# KiCad board pedalboard-hw.kicad_pcb (continued)
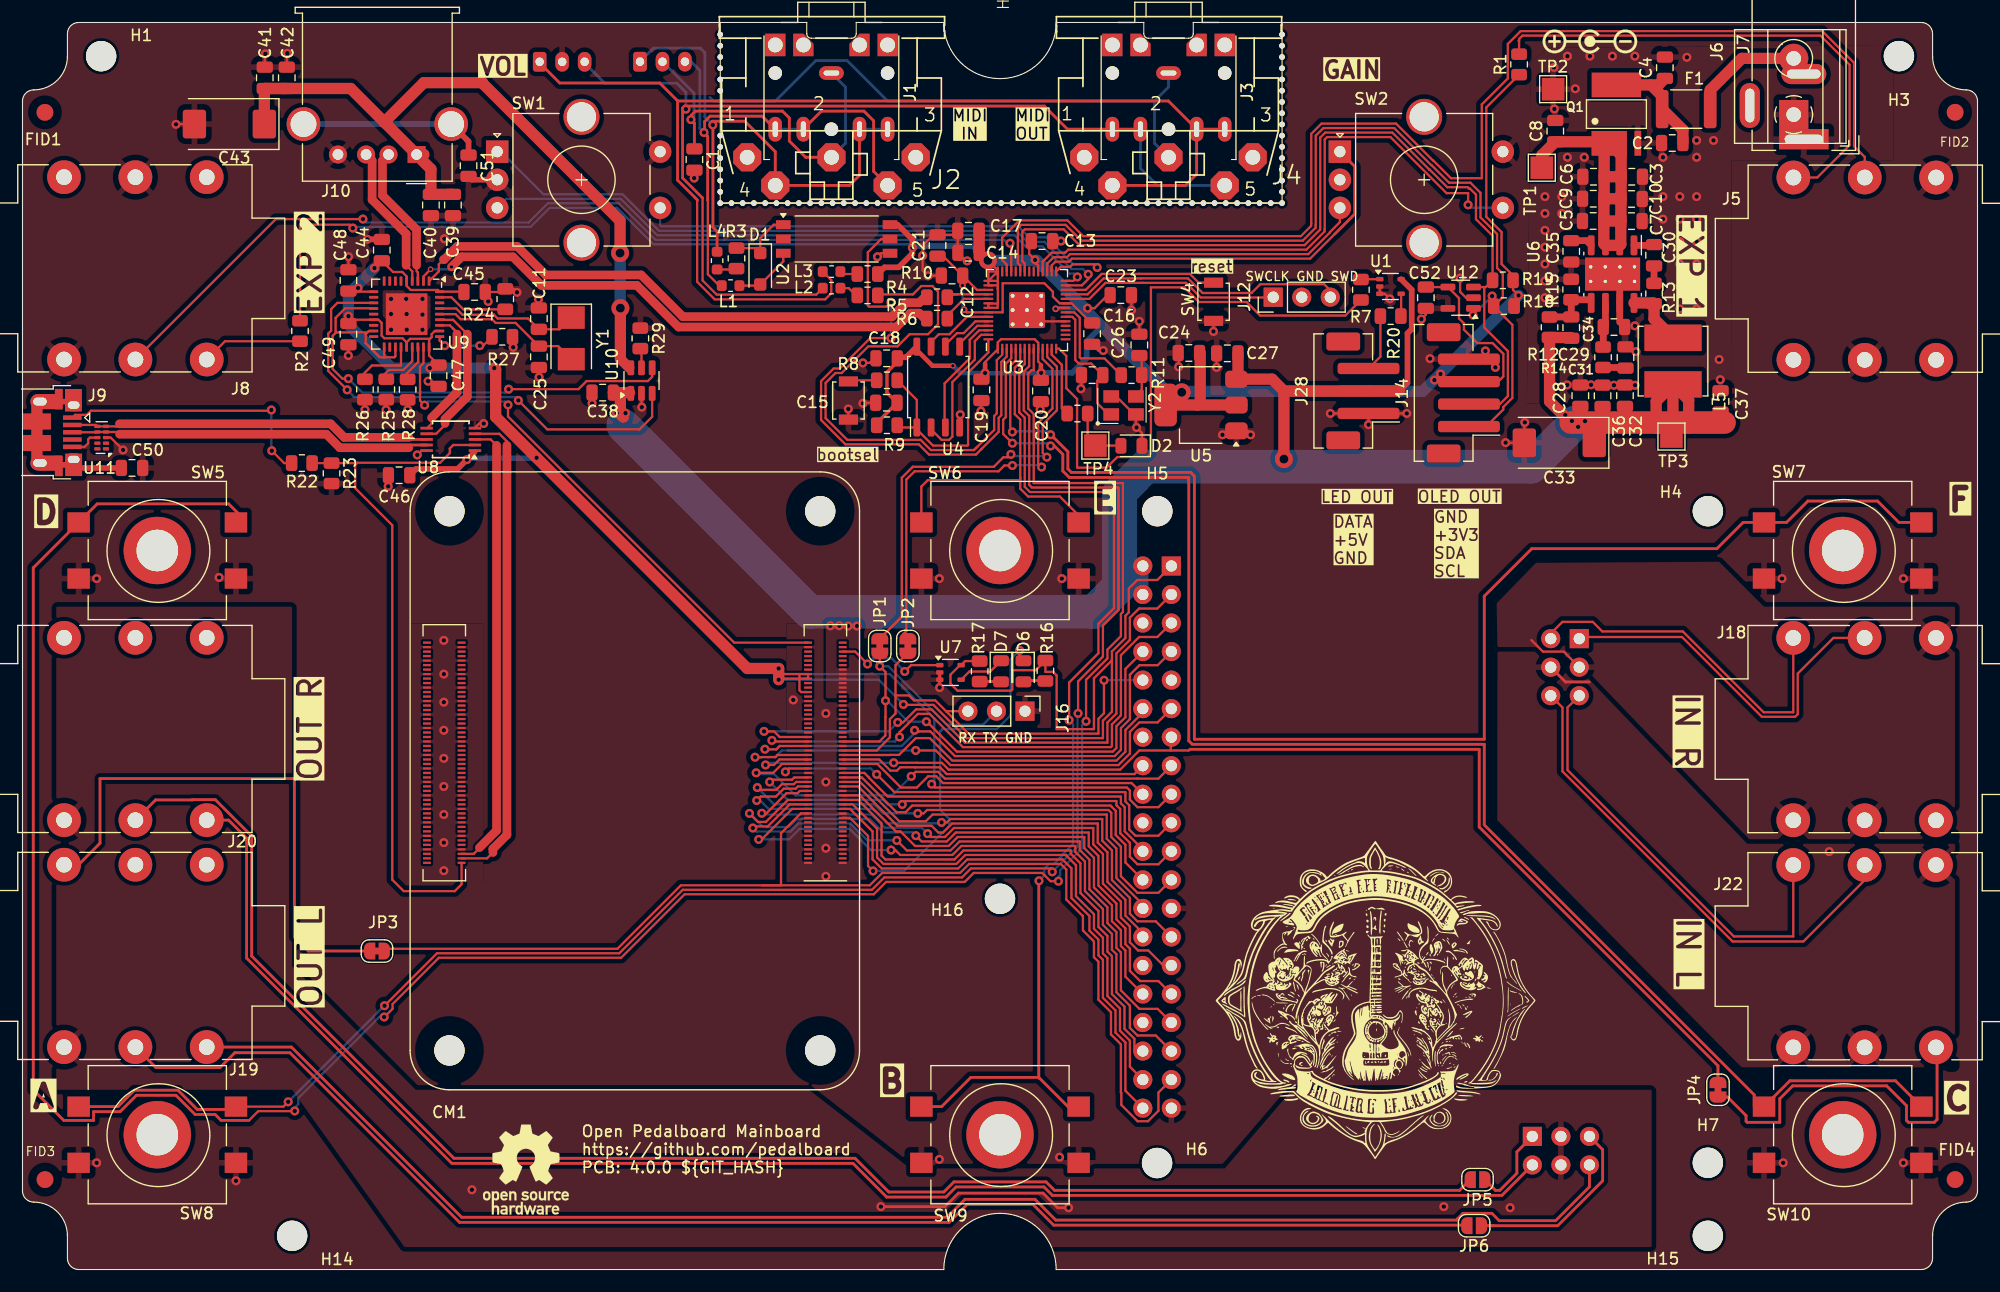
[diagram p0: board, top side]
## Library data of the parts (continued)
SW5 = -: Datasheet: https://www.we-online.com/components/products/datasheet/430172043816.pdf; Notes: D; Supplier: https://www.digikey.ch/de/products/detail/w%C3%BCrth-elektronik/430162043826/9950802; ki_fp_filters: SW*Omron*B3FS*
SW6 = -: Datasheet: https://www.we-online.com/components/products/datasheet/430172043816.pdf; Notes: E; Supplier: https://www.digikey.ch/de/products/detail/w%C3%BCrth-elektronik/430162043826/9950802; ki_fp_filters: SW*Omron*B3FS*
SW7 = -: Datasheet: https://www.we-online.com/components/products/datasheet/430172043816.pdf; Notes: F; Supplier: https://www.digikey.ch/de/products/detail/w%C3%BCrth-elektronik/430162043826/9950802; ki_fp_filters: SW*Omron*B3FS*
SW8 = -: Datasheet: https://www.we-online.com/components/products/datasheet/430172043816.pdf; Notes: A; Supplier: https://www.digikey.ch/de/products/detail/w%C3%BCrth-elektronik/430162043826/9950802; ki_fp_filters: SW*Omron*B3FS*
SW9 = -: Datasheet: https://www.we-online.com/components/products/datasheet/430172043816.pdf; Notes: B; Supplier: https://www.digikey.ch/de/products/detail/w%C3%BCrth-elektronik/430162043826/9950802; ki_fp_filters: SW*Omron*B3FS*
SW10 = -: Datasheet: https://www.we-online.com/components/products/datasheet/430172043816.pdf; Notes: C; Supplier: https://www.digikey.ch/de/products/detail/w%C3%BCrth-elektronik/430162043826/9950802; ki_fp_filters: SW*Omron*B3FS*
TP1-TP4 = -: ki_fp_filters: Pin* Test*
U1 U7 = -: Datasheet: https://www.diodes.com/assets/Datasheets/74AHCT1G32.pdf; Supplier: https://www.digikey.ch/de/products/detail/diodes-incorporated/74AHCT1G32SE-7/2711987
U2 = -: Datasheet: https://toshiba.semicon-storage.com/info/docget.jsp?did=28819&prodName=TLP2761; Description: 15-Mbps inverting photocouple,5 kVrms, 2.7 - 5.5 Vdd, push-pull output; Supplier: https://www.digikey.ch/de/products/detail/toshiba-semiconductor-and-storage/TLP2761-TP-E/7809713; ki_fp_filters: SO*6L*10x3.84mm*P1.27mm*
U3 = -: Datasheet: https://datasheets.raspberrypi.com/rp2040/rp2040-datasheet.pdf; Supplier: https://www.digikey.ch/de/products/detail/raspberry-pi/SC0914-13/14306010
U4 = -: Datasheet: https://www.winbond.com/resource-files/w25q128jv%20revf%2003272018%20plus.pdf; Supplier: https://www.digikey.ch/de/products/detail/winbond-electronics/W25Q128JVSIQ-TR/5803944; ki_fp_filters: SOIC*5.23x5.23mm*P1.27mm*
U5 = -: Datasheet: https://www.diodes.com/assets/Datasheets/AZ1117I.pdf; Supplier: https://www.digikey.ch/de/products/detail/diodes-incorporated/AZ1117IH-3-3TRG1/5699672; ki_fp_filters: SOT?223*TabPin2*
U6 = -: Datasheet: https://www.diodes.com/assets/Datasheets/AP64501.pdf; Supplier: https://www.digikey.ch/de/products/detail/diodes-incorporated/AP64501SP-13/10419715
U8 = -: Datasheet: https://www.onsemi.com/pub/Collateral/FSUSB42-D.PDF; Description: Low-Power, Two-Port, High-Speed, USB2.0 (480Mbps) or UART Switch, MSOP-10; Supplier: https://www.digikey.ch/de/products/detail/onsemi/FSUSB42MUX/2036916; ki_fp_filters: MSOP*3x3mm*P0.5mm*
U9 = -: Datasheet: http://ww1.microchip.com/downloads/en/DeviceDoc/00001692C.pdf; Description: USB 2.0 Hi-Speed Hub Controller; Supplier: https://www.digikey.ch/de/products/detail/microchip-technology/USB2514B-I-M2/5639468; ki_fp_filters: QFN*6x6mm*P0.5mm*
U10 = -: Datasheet: https://www.diodes.com/assets/Datasheets/AP255x.pdf; Field4: Digikey; Field5: AP2553W6-7DICT-ND
U11 = -: Datasheet: http://www.ti.com/lit/ds/symlink/tpd2eusb30a.pdf; Description: 4-Channel ESD Protection for Super-Speed USB 3.0 Interface, USON-10; Supplier: https://www.digikey.ch/de/products/detail/texas-instruments/TPD4EUSB30DQAR/2503665; ki_fp_filters: USON*2.5x1.0mm*P0.5mm*
U12 = -: Datasheet: http://ww1.microchip.com/downloads/en/DeviceDoc/Atmel-8815-SEEPROM-AT24CS01-02-Datasheet.pdf; Description: I2C Serial EEPROM, 1Kb (128x8) with Unique Serial Number, SOT-23-5; Supplier: https://www.digikey.ch/de/products/detail/microchip-technology/AT24CS01-STUM-T/3973063; ki_fp_filters: SOT?23*
Y1 = -: Datasheet: https://www.ctscorp.com/Files/DataSheets/Passives/FCP/Crystals/crystals-445-datasheet.pdf; Description: Two pin crystal, small symbol; Supplier: https://www.digikey.ch/en/products/detail/cts-frequency-controls/445C33D24M00000/3135787; ki_fp_filters: Crystal*
Y2 = -: Datasheet: https://abracon.com/datasheets/ABM8-272-T3.pdf; Supplier: https://www.digikey.ch/de/products/detail/abracon-llc/ABM8-272-T3/22472366; ki_fp_filters: ABM8-272-T3_ABR

## Footprints (pads in the part's own frame, mm; a bottom-side part is the same pattern mirrored in y, then rotated)
ABM8-272-T3_ABR
  rect 1.1x1.4 smd: 1(-0.8,1.1) 2(-0.8,-1.1) 3(0.8,-1.1) 4(0.8,1.1)
BarrelJack_Wuerth_6941xx301002
  rect 4.4x1.8 hole 3.4x0.8: 1(0,0)
  oval 4x1.8 hole 3x0.8: 2(0,-5.8)
  oval 1.8x4 hole 0.8x3: 3(4.8,-3)
C_0805_2012Metric
  rrect 1x1.45 smd: 1(-0.95,0) 2(0.95,0)
CP-2350
  rrect 2.5x2.5 hole 1.321: 1(7.5,10) 2(0,10) 3(-7.5,10) 4(5,12.5) 5(-5,12.5)
  rrect 1.8x2 hole 1.321: PE(-2.5,0) PE@(2.5,0)
  rect 1.8x2 hole 1.321: PE1(-5,0) PE2(5,0)
CP_EIA-7343-31_Kemet-D
  rrect 2.075x2.55 smd: 1(-3.112,0) 2(3.112,0)
Crystal_SMD_5032-2Pin_5.0x3.2mm
  rect 2x2.4 smd: 1(-1.85,0) 2(1.85,0)
D_SOD-123F
  rrect 1.1x1.1 smd: 1(-1.4,0) 2(1.4,0)
Fiducial_1.5mm_Mask3mm
  round 1.5 smd: (0,0)
Fuse_1812_4532Metric
  rrect 1.125x3.4 smd: 1(-2.138,0) 2(2.138,0)
Jack_3.5mm_CUI_SJ1-3525N_Horizontal
  round 1.2 hole 1.2 unplated: (-5,0) (0,5) (5,0)
  oval 1.2x2.2 hole 0.45x1.4: R(-5,5) RN(-2.5,5) T(5,5) TN(2.5,5)
  oval 2.2x1.2 hole 1.4x0.45: S(0,0)
Jack_6.35mm_Horizontal
  round 3 hole 1.4: R(6.35,0) RN(6.35,-16.23) S(12.7,0) SN(12.7,-16.23) T(0,0) TN(0,-16.23)
JST_PH_B3B-PH-K_1x03_P2.00mm_Vertical
  rrect 1.2x1.75 hole 0.75: 1(0,0)
  oval 1.2x1.75 hole 0.75: 2(2,0) 3(4,0)
JST_PH_B3B-PH-SM4-TB_1x03-1MP_P2.00mm_Vertical
  rrect 1x5.5 smd: 1(-2,-0.5) 2(0,-0.5) 3(2,-0.5)
  rrect 1.6x3 smd: MP(-4.4,1.75) MP(4.4,1.75)
JST_PH_B4B-PH-SM4-TB_1x04-1MP_P2.00mm_Vertical
  rrect 1x5.5 smd: 1(-3,-0.5) 2(-1,-0.5) 3(1,-0.5) 4(3,-0.5)
  rrect 1.6x3 smd: MP(-5.4,1.75) MP(5.4,1.75)
L_0603_1608Metric
  rrect 0.875x0.95 smd: 1(-0.787,0) 2(0.787,0)
L_Bourns_SRN6045TA
  rect 2.35x5.1 smd: 1(-2.075,0) 2(2.075,0)
LED_0805_2012Metric
  rrect 0.975x1.4 smd: 1(-0.938,0) 2(0.938,0)
MIDI bites
  round 0.6 hole 0.5 unplated: (-25,-1) (-25,-2) (-25,-3) (-25,-4) (-25,-5) (-25,-6) (-25,-10) (-25,-11) (-25,-12) (-25,-13) (-25,-14) (-25,-15) (-25,-16) (-24,-16) (-23,-16) (-22,-16) (-21,-16) (-20,-16) (-19,-16) (-18,-16) (-17,-16) (-16,-16) (-15,-16) (-14,-16) (-13,-16) (-12,-16) (-11,-16) (-10,-16) (-9,-16) (-8,-16) (-7,-16) (-6,-16) (-5,-16) (-4,-16) (-3,-16) (-2,-16) (-1,-16) (0,-16) (1,-16) (2,-16) (3,-16) (4,-16) (5,-16) (6,-16) (7,-16) (8,-16) (9,-16) (10,-16) (11,-16) (12,-16) (13,-16) (14,-16) (15,-16) (16,-16) (17,-16) (18,-16) (19,-16) (20,-16) (21,-16) (22,-16) (23,-16) (24,-16) (25,-1) (25,-2) (25,-3) (25,-4) (25,-5) (25,-6) (25,-7) (25,-8) (25,-9) (25,-10) (25,-11) (25,-12) (25,-13) (25,-14) (25,-15) (25,-16)
MountingHole_2.7mm_M2.5_DIN965
  round 2.7 hole 2.7 unplated: (0,0)
Pedalboard_Soundcard
  rect 1.7x1.7 hole 1: 1(0,0) 41(-36.305,-6.47) 47(-32.13,-50.775)
  oval 1.7x1.7 hole 1: 2(2.54,0) 3(0,-2.54) 4(2.54,-2.54) 5(0,-5.08) 6(2.54,-5.08) 7(0,-7.62) 8(2.54,-7.62) 9(0,-10.16) 10(2.54,-10.16) 11(0,-12.7) 12(2.54,-12.7) 13(0,-15.24) 14(2.54,-15.24) 15(0,-17.78) 16(2.54,-17.78) 17(0,-20.32) 18(2.54,-20.32) 19(0,-22.86) 20(2.54,-22.86) 21(0,-25.4) 22(2.54,-25.4) 23(0,-27.94) 24(2.54,-27.94) 25(0,-30.48) 26(2.54,-30.48) 27(0,-33.02) 28(2.54,-33.02) 29(0,-35.56) 30(2.54,-35.56) 31(0,-38.1) 32(2.54,-38.1) 33(0,-40.64) 34(2.54,-40.64) 35(0,-43.18) 36(2.54,-43.18) 37(0,-45.72) 38(2.54,-45.72) 39(0,-48.26) 40(2.54,-48.26) 42(-33.765,-6.47) 43(-36.305,-9.01) 44(-33.765,-9.01) 45(-36.305,-11.55) 46(-33.765,-11.55) 48(-32.13,-53.315) 49(-34.67,-50.775) 50(-34.67,-53.315) 51(-37.21,-50.775) 52(-37.21,-53.315)
PinHeader_1x03_P2.54mm_Vertical
  rect 1.7x1.7 hole 1: 1(0,0)
  oval 1.7x1.7 hole 1: 2(0,-2.54) 3(0,-5.08)
QFN-36-1EP_6x6mm_P0.5mm_EP3.7x3.7mm
  rrect 0.99x0.99 smd: (-1.23,1.23) (-1.23,0) (-1.23,-1.23) (0,1.23) (0,0) (0,-1.23) (1.23,1.23) (1.23,0) (1.23,-1.23)
  rrect 0.825x0.25 smd: 1(-2.938,2) 2(-2.938,1.5) 3(-2.938,1) 4(-2.938,0.5) 5(-2.938,0) 6(-2.938,-0.5) 7(-2.938,-1) 8(-2.938,-1.5) 9(-2.938,-2) 19(2.938,-2) 20(2.938,-1.5) 21(2.938,-1) 22(2.938,-0.5) 23(2.938,0) 24(2.938,0.5) 25(2.938,1) 26(2.938,1.5) 27(2.938,2)
  rrect 0.25x0.825 smd: 10(-2,-2.938) 11(-1.5,-2.938) 12(-1,-2.938) 13(-0.5,-2.938) 14(0,-2.938) 15(0.5,-2.938) 16(1,-2.938) 17(1.5,-2.938) 18(2,-2.938) 28(2,2.938) 29(1.5,2.938) 30(1,2.938) 31(0.5,2.938) 32(0,2.938) 33(-0.5,2.938) 34(-1,2.938) 35(-1.5,2.938) 36(-2,2.938)
  rect 3.7x3.7 smd: 37(0,0)
R_0805_2012Metric
  rrect 1.025x1.4 smd: 1(-0.912,0) 2(0.912,0)
Raspberry-Pi-4-Compute-Module
  round 2.7 hole 2.7 unplated: (0,48) (0,0) (33,48) (33,0)
  rect 0.7x0.2 smd: 1(-2,31.3) 2(1.08,31.3) 3(-2,30.9) 4(1.08,30.9) 5(-2,30.5) 6(1.08,30.5) 7(-2,30.1) 8(1.08,30.1) 9(-2,29.7) 10(1.08,29.7) 11(-2,29.3) 12(1.08,29.3) 13(-2,28.9) 14(1.08,28.9) 15(-2,28.5) 16(1.08,28.5) 17(-2,28.1) 18(1.08,28.1) 19(-2,27.7) 20(1.08,27.7) 21(-2,27.3) 22(1.08,27.3) 23(-2,26.9) 24(1.08,26.9) 25(-2,26.5) 26(1.08,26.5) 27(-2,26.1) 28(1.08,26.1) 29(-2,25.7) 30(1.08,25.7) 31(-2,25.3) 32(1.08,25.3) 33(-2,24.9) 34(1.08,24.9) 35(-2,24.5) 36(1.08,24.5) 37(-2,24.1) 38(1.08,24.1) 39(-2,23.7) 40(1.08,23.7) 41(-2,23.3) 42(1.08,23.3) 43(-2,22.9) 44(1.08,22.9) 45(-2,22.5) 46(1.08,22.5) 47(-2,22.1) 48(1.08,22.1) 49(-2,21.7) 50(1.08,21.7) 51(-2,21.3) 52(1.08,21.3) 53(-2,20.9) 54(1.08,20.9) 55(-2,20.5) 56(1.08,20.5) 57(-2,20.1) 58(1.08,20.1) 59(-2,19.7) 60(1.08,19.7) 61(-2,19.3) 62(1.08,19.3) 63(-2,18.9) 64(1.08,18.9) 65(-2,18.5) 66(1.08,18.5) 67(-2,18.1) 68(1.08,18.1) 69(-2,17.7) 70(1.08,17.7) 71(-2,17.3) 72(1.08,17.3) 73(-2,16.9) 74(1.08,16.9) 75(-2,16.5) 76(1.08,16.5) 77(-2,16.1) 78(1.08,16.1) 79(-2,15.7) 80(1.08,15.7) 81(-2,15.3) 82(1.08,15.3) 83(-2,14.9) 84(1.08,14.9) 85(-2,14.5) 86(1.08,14.5) 87(-2,14.1) 88(1.08,14.1) 89(-2,13.7) 90(1.08,13.7) 91(-2,13.3) 92(1.08,13.3) 93(-2,12.9) 94(1.08,12.9) 95(-2,12.5) 96(1.08,12.5) 97(-2,12.1) 98(1.08,12.1) 99(-2,11.7) 100(1.08,11.7) 101(31.92,31.3) 102(35,31.3) 103(31.92,30.9) 104(35,30.9) 105(31.92,30.5) 106(35,30.5) 107(31.92,30.1) 108(35,30.1) 109(31.92,29.7) 110(35,29.7) 111(31.92,29.3) 112(35,29.3) 113(31.92,28.9) 114(35,28.9) 115(31.92,28.5) 116(35,28.5) 117(31.92,28.1) 118(35,28.1) 119(31.92,27.7) 120(35,27.7) 121(31.92,27.3) 122(35,27.3) 123(31.92,26.9) 124(35,26.9) 125(31.92,26.5) 126(35,26.5) 127(31.92,26.1) 128(35,26.1) 129(31.92,25.7) 130(35,25.7) 131(31.92,25.3) 132(35,25.3) 133(31.92,24.9) 134(35,24.9) 135(31.92,24.5) 136(35,24.5) 137(31.92,24.1) 138(35,24.1) 139(31.92,23.7) 140(35,23.7) 141(31.92,23.3) 142(35,23.3) 143(31.92,22.9) 144(35,22.9) 145(31.92,22.5) 146(35,22.5) 147(31.92,22.1) 148(35,22.1) 149(31.92,21.7) 150(35,21.7) 151(31.92,21.3) 152(35,21.3) 153(31.92,20.9) 154(35,20.9) 155(31.92,20.5) 156(35,20.5) 157(31.92,20.1) 158(35,20.1) 159(31.92,19.7) 160(35,19.7) 161(31.92,19.3) 162(35,19.3) 163(31.92,18.9) 164(35,18.9) 165(31.92,18.5) 166(35,18.5) 167(31.92,18.1) 168(35,18.1) 169(31.92,17.7) 170(35,17.7) 171(31.92,17.3) 172(35,17.3) 173(31.92,16.9) 174(35,16.9) 175(31.92,16.5) 176(35,16.5) 177(31.92,16.1) 178(35,16.1) 179(31.92,15.7) 180(35,15.7) 181(31.92,15.3) 182(35,15.3) 183(31.92,14.9) 184(35,14.9) 185(31.92,14.5) 186(35,14.5) 187(31.92,14.1) 188(35,14.1) 189(31.92,13.7) 190(35,13.7) 191(31.92,13.3) 192(35,13.3) 193(31.92,12.9) 194(35,12.9) 195(31.92,12.5) 196(35,12.5) 197(31.92,12.1) 198(35,12.1) 199(31.92,11.7) 200(35,11.7)
RotaryEncoder_Alps_EC11E-Switch_Vertical_H20mm_CircularMountingHoles
  rect 2x2 hole 1: A(0,0)
  round 2 hole 1: B(0,-5) C(0,-2.5) S1(14.5,-5) S2(14.5,0)
  round 3.2 hole 2.6: MP(7.5,3.1) MP(7.5,-8.1)
RP2040-QFN-56
  rrect 1.084x1.084 smd: (-0.637,0.637) (-0.637,-0.637) (0.637,0.637) (0.637,-0.637)
  rrect 0.875x0.2 smd: 1(-3.438,2.6) 2(-3.438,2.2) 3(-3.438,1.8) 4(-3.438,1.4) 5(-3.438,1) 6(-3.438,0.6) 7(-3.438,0.2) 8(-3.438,-0.2) 9(-3.438,-0.6) 10(-3.438,-1) 11(-3.438,-1.4) 12(-3.438,-1.8) 13(-3.438,-2.2) 14(-3.438,-2.6) 29(3.438,-2.6) 30(3.438,-2.2) 31(3.438,-1.8) 32(3.438,-1.4) 33(3.438,-1) 34(3.438,-0.6) 35(3.438,-0.2) 36(3.438,0.2) 37(3.438,0.6) 38(3.438,1) 39(3.438,1.4) 40(3.438,1.8) 41(3.438,2.2) 42(3.438,2.6)
  rrect 0.2x0.875 smd: 15(-2.6,-3.438) 16(-2.2,-3.438) 17(-1.8,-3.438) 18(-1.4,-3.438) 19(-1,-3.438) 20(-0.6,-3.438) 21(-0.2,-3.438) 22(0.2,-3.438) 23(0.6,-3.438) 24(1,-3.438) 25(1.4,-3.438) 26(1.8,-3.438) 27(2.2,-3.438) 28(2.6,-3.438) 43(2.6,3.438) 44(2.2,3.438) 45(1.8,3.438) 46(1.4,3.438) 47(1,3.438) 48(0.6,3.438) 49(0.2,3.438) 50(-0.2,3.438) 51(-0.6,3.438) 52(-1,3.438) 53(-1.4,3.438) 54(-1.8,3.438) 55(-2.2,3.438) 56(-2.6,3.438)
  round 0.6 hole 0.35: 57(-1.275,1.275) 57(-1.275,0) 57(-1.275,-1.275) 57(0,1.275) 57(0,0) 57(0,-1.275) 57(1.275,1.275) 57(1.275,0) 57(1.275,-1.275)
  rrect 3.2x3.2 smd: 57(0,0)
SO08-E3
  rect 3.15x2.2 smd: 1-3(-0.635,-2.6)
  rect 0.6x2.2 smd: 4(1.905,-2.6)
  rect 4.4x2.2 smd: 5-8(0,2.6)
SO-6L_10x3.84mm_P1.27mm
  rect 1.3x0.8 smd: 1(-4.75,1.27) 2(-4.75,0) 3(-4.75,-1.27) 4(4.75,-1.27) 5(4.75,0) 6(4.75,1.27)
SOIC-8-1EP_3.9x4.9mm_P1.27mm_EP2.95x4.9mm_Mask2.71x3.4mm_ThermalVias
  rrect 1.13x1.42 smd: (-0.68,0.85) (-0.68,-0.85) (0.68,0.85) (0.68,-0.85)
  rect 2.71x3.4 smd: (0,0)
  rrect 1.775x0.6 smd: 1(-2.562,1.905) 2(-2.562,0.635) 3(-2.562,-0.635) 4(-2.562,-1.905) 5(2.562,-1.905) 6(2.562,-0.635) 7(2.562,0.635) 8(2.562,1.905)
  round 0.5 hole 0.3: 9(-0.65,1.95) 9(-0.65,0.65) 9(-0.65,-0.65) 9(-0.65,-1.95) 9(0.65,1.95) 9(0.65,0.65) 9(0.65,-0.65) 9(0.65,-1.95)
  rect 1.8x4.4 smd far side: 9(0,0)
  rect 2.95x4.9 smd: 9(0,0)
SOIC-8_5.23x5.23mm_P1.27mm
  rrect 1.6x0.6 smd: 1(-3.6,1.905) 2(-3.6,0.635) 3(-3.6,-0.635) 4(-3.6,-1.905) 5(3.6,-1.905) 6(3.6,-0.635) 7(3.6,0.635) 8(3.6,1.905)
SolderJumper-2_P1.3mm_Bridged_RoundedPad1.0x1.5mm
  custom 1x0.5 smd: 1(-0.65,0) 2(0.65,0)
SolderJumper-2_P1.3mm_Open_RoundedPad1.0x1.5mm
  custom 1x0.5 smd: 1(-0.65,0) 2(0.65,0)
SOT-23-5
  rrect 1.325x0.6 smd: 1(-1.137,0.95) 2(-1.137,0) 3(-1.137,-0.95) 4(1.137,-0.95) 5(1.137,0.95)
SOT-23-6
  rrect 1.325x0.6 smd: 1(-1.137,0.95) 2(-1.137,0) 3(-1.137,-0.95) 4(1.137,-0.95) 5(1.137,0) 6(1.137,0.95)
SOT-223-3_TabPin2
  rrect 2x1.5 smd: 1(-3.15,2.3) 2(-3.15,0) 3(-3.15,-2.3)
  rrect 2x3.8 smd: 2(3.15,0)
SOT-353_SC-70-5
  rrect 0.65x0.4 smd: 1(-0.95,0.65) 2(-0.95,0) 3(-0.95,-0.65) 4(0.95,-0.65) 5(0.95,0.65)
SW_PUSH-12mm_Wuerth
  rect 2x1.8 smd: 1(-7,2.5) 1(7,2.5) 2(-7,-2.5) 2(7,-2.5)
SW_SPST_B3U-1000P
  rect 0.9x1.7 smd: 1(-1.7,0) 2(1.7,0)
TerminalBlock_Phoenix_MKDS-1,5-2_1x02_P5.00mm_Horizontal
  rect 2.6x2.6 hole 1.3: 1(0,0)
  round 2.6 hole 1.3: 2(5,0)
TestPoint_Pad_2.0x2.0mm
  rect 2x2 smd: 1(0,0)
TSSOP-10_3x3mm_P0.5mm
  rect 1.1x0.25 smd: 1(-2.15,1) 2(-2.15,0.5) 3(-2.15,0) 4(-2.15,-0.5) 5(-2.15,-1) 6(2.15,-1) 7(2.15,-0.5) 8(2.15,0) 9(2.15,0.5) 10(2.15,1)
USB_A_Molex_67643_Horizontal
  rect 1.6x1.5 hole 0.95: 1(0,0)
  round 1.6 hole 0.95: 2(2.5,0) 3(4.5,0) 4(7,0)
  round 3 hole 2.3: 5(-3.07,-2.71) 5(10.07,-2.71)
USB_Micro-B_Amphenol_10103594-0001LF_Horizontal
  rect 0.4x1.65 smd: 1(-1.325,1.765) 2(-0.675,1.765) 3(-0.025,1.765) 4(0.625,1.765) 5(1.275,1.765)
  rect 1.825x0.7 smd: 6(-2.975,0.565) 6(2.975,0.565)
  rect 2x1.5 smd: 6(-2.875,1.865) 6(2.875,1.885)
  rect 1.35x2 smd: 6(-2.755,-0.185) 6(2.725,-0.185)
  oval 1.35x1.7 hole 0.7x1.2: 6(-2.755,-1.115) 6(2.705,-1.115)
  oval 1.1x1.5 hole 0.65x1.05: 6(-2.445,1.885) 6(2.395,1.885)
  rect 1.43x2.5 smd: 6(-0.985,-1.385) 6(0.935,-1.385)
USON-10_2.5x1.0mm_P0.5mm
  rrect 0.55x0.3 smd: 1(-0.385,1) 2(-0.385,0.5) 3(-0.385,0) 4(-0.385,-0.5) 5(-0.385,-1) 6(0.385,-1) 7(0.385,-0.5) 8(0.385,0) 9(0.385,0.5) 10(0.385,1)
WA-SMSI_M2.5
  round 6 hole 3.7 unplated: (0,0)

## Nets
+1V1: C12.1 C16.1 C21.1 U3.23 U3.45 U3.50
+3V3: C13.1 C14.1 C15.1 C17.1 C18.1 C19.1 C20.1 C23.1 C24.1 C52.1 J14.3 R1.1 R2.1 R4.1 R9.1 R18.1 R19.1 U2.6 U3.1 U3.10 U3.22 U3.33 U3.42 U3.43 U3.44 U3.48 U3.49 U4.8 U5.2 U12.4
+5VP: C27.1 C28.1 C29.1 C32.1 C33.1 C36.1 C37.1 C38.1 CM1.77 CM1.79 CM1.81 CM1.83 CM1.85 CM1.87 J27.2 J27.4 J28.2 L5.2 R12.1 TP3.1 U1.5 U5.3 U10.1
/Audio/GND_in_L: J22.RN J22.S J22.TN J27.44
/Audio/GND_in_R: J18.RN J18.S J18.TN J27.43
/Audio/GND_out: J19.S J20.S J27.49 J27.50
/Connectivity/VBUS: C39.1 C40.1 C41.1 C42.1 C43.1 J10.1 U10.6
GND: C1.2 C2.2 C3.2 C4.2 C5.2 C6.2 C7.2 C8.2 C9.2 C10.2 C11.2 C12.2 C13.2 C14.2 C15.2 C16.2 C17.2 C18.2 C19.2 C20.2 C21.2 C22.2 C23.2 C24.2 C25.2 C26.2 C27.2 C28.2 C31.2 C32.2 C33.2 C34.2 C35.2 C36.2 C37.2 C38.2 C39.2 C40.2 C41.2 C42.2 C43.2 C44.2 C45.2 C46.2 C47.2 C48.2 C49.2 C50.2 C51.2 C52.2 CM1.1 CM1.2 CM1.7 CM1.8 CM1.13 CM1.14 CM1.22 CM1.23 CM1.32 CM1.33 CM1.42 CM1.43 CM1.52 CM1.53 CM1.59 CM1.60 CM1.65 CM1.66 CM1.71 CM1.74 CM1.98 CM1.107 CM1.108 CM1.113 CM1.114 CM1.119 CM1.120 CM1.125 CM1.126 CM1.131 CM1.132 CM1.137 CM1.138 CM1.144 CM1.150 CM1.155 CM1.156 CM1.161 CM1.162 CM1.167 CM1.168 CM1.173 CM1.174 CM1.179 CM1.180 CM1.185 CM1.186 CM1.191 CM1.192 CM1.197 CM1.198 D2.1 J3.S J4.2 J5.RN J5.S J6.1 J7.1 J8.RN J8.S J9.5 J10.4 J12.2 J14.4 J16.1 J26.2 J27.6 J27.9 J27.14 J27.20 J27.25 J27.30 J27.34 J27.39 J28.1 Q1.4 R15.2 R23.2 R24.2 R25.2 R26.2 R27.2 R28.2 R29.1 SW1.C SW1.S2 SW2.C SW2.S2 SW3.1 SW4.1 SW5.2 SW6.2 SW7.2 SW8.2 SW9.2 SW10.2 TP2.1 U1.2 U1.3 U2.4 U3.19 U3.57 U4.4 U5.1 U6.7 U6.9 U7.2 U7.3 U8.5 U8.10 U9.37 U10.2 U11.3 U11.8 U12.2 U12.5 Y2.2 Y2.4
/Audio/audio_in_stereo: CM1.48 J27.13 JP4.2
/Audio/audio_out_stereo: CM1.24 J27.37 JP3.2
/Audio/audio_pcm_clk: CM1.49 J27.12
/Audio/audio_pcm_din: CM1.27 J27.38
/Audio/audio_pcm_dout: CM1.25 J27.40
/Audio/audio_pcm_fs: CM1.26 J27.35
/Audio/CM4_3V: C44.1 C45.1 C46.1 C47.1 C48.1 C49.1 CM1.78 CM1.84 CM1.86 J27.1 J27.17 R16.2 R17.2 U7.5 U8.1 U9.5 U9.10 U9.15 U9.23 U9.27 U9.29 U9.36
/Audio/CM4_GPIO4: CM1.54 J27.7
/Audio/CM4_GPIO5: CM1.34 J27.29
/Audio/CM4_GPIO6: CM1.30 J27.31
/Audio/CM4_GPIO7: CM1.37 J27.26
/Audio/CM4_GPIO8: CM1.39 J27.24
/Audio/CM4_GPIO9: CM1.40 J27.21
/Audio/CM4_GPIO10: CM1.44 J27.19
/Audio/CM4_GPIO11: CM1.38 J27.23
/Audio/CM4_GPIO12: CM1.31 J27.32
/Audio/CM4_GPIO13: CM1.28 J27.33
/Audio/CM4_GPIO16: CM1.29 J27.36
/Audio/CM4_GPIO17: CM1.50 J27.11
/Audio/CM4_GPIO22: CM1.46 J27.15
/Audio/CM4_GPIO23: CM1.47 J27.16
/Audio/CM4_GPIO24: CM1.45 J27.18
/Audio/CM4_GPIO25: CM1.41 J27.22
/Audio/CM4_ID_SC: CM1.35 J27.28
/Audio/CM4_ID_SD: CM1.36 J27.27
/Audio/CM4_LED_ACT: CM1.21 D6.1
/Audio/CM4_LED_PWR: CM1.95 U7.1
/Audio/conf_i2c_scl: CM1.56 J27.5
/Audio/conf_i2c_sda: CM1.58 J27.3
/Audio/in_L+: J22.T J27.45
/Audio/in_L-: J22.R J27.46
/Audio/in_R+: J18.T J27.42
/Audio/in_R-: J18.R J27.41
/Audio/INT_MIDI_RX: CM1.51 J16.3 J27.10 JP2.1
/Audio/INT_MIDI_TX: CM1.55 J16.2 J27.8 JP1.1
/Audio/nEXTRST: CM1.100 U9.26
/Connectivity/nOCS1: U9.13 U9.17 U9.19 U9.21 U10.4
/Connectivity/USB_CM_N: CM1.103 U8.4
/Connectivity/USB_CM_P: CM1.105 U8.3
/Connectivity/USB_D_N: J9.2 U8.8 U11.5
/Connectivity/USB_D_P: J9.3 U8.9 U11.4
/Connectivity/USB_OUT_N: J10.2 U9.3
/Connectivity/USB_OUT_P: J10.3 U9.4
/Connectivity/USB_RP_N: R10.1 U9.1
/Connectivity/USB_RP_P: R6.1 U9.2
/Connectivity/USB_UP_N: U8.6 U9.30
/Connectivity/USB_UP_P: U8.7 U9.31
/LEDs/RGB_DATA: R7.1 U3.14
/MIDI/A_EXP1: J5.R U3.40
/MIDI/A_EXP2: J8.R U3.39
/MIDI/EXT_MIDI_RX: U2.5 U3.3
/MIDI/EXT_MIDI_TX: R5.2 U3.2
/MIDI/I2C_SCL: J14.1 R18.2 U3.37 U12.1
/MIDI/I2C_SDA: J14.2 R19.2 U3.36 U12.3
/MIDI/QSPI_SCLK: U3.52 U4.6
/MIDI/QSPI_SD0: U3.53 U4.5
/MIDI/QSPI_SD1: U3.55 U4.2
/MIDI/QSPI_SD2: U3.54 U4.3
/MIDI/QSPI_SD3: U3.51 U4.7
/MIDI/QSPI_SS: R8.2 R9.2 U3.56 U4.1
/MIDI/ROT_GAIN_A: SW2.A U3.30
/MIDI/ROT_GAIN_B: SW2.B U3.31
/MIDI/ROT_VOL_A: SW1.A U3.27
/MIDI/ROT_VOL_B: SW1.B U3.28
/MIDI/SW_A: SW8.1 U3.8
/MIDI/SW_B: SW9.1 U3.7
/MIDI/SW_C: SW10.1 U3.4
/MIDI/SW_D: SW5.1 U3.9
/MIDI/SW_E: SW6.1 U3.6
/MIDI/SW_F: SW7.1 U3.5
/MIDI/SW_GAIN: SW2.S1 U3.32
/MIDI/SW_VOL: SW1.S1 U3.29
/MIDI/SWCLK: J12.1 U3.24
/MIDI/SWD: J12.3 U3.25
/MIDI/XIN: C22.1 U3.20 Y2.1
/MIDI/XOUT: R11.1 U3.21
/MIDI/~{USB_BOOT}: R8.1 SW3.2
/Power Supply/fused: C2.1 C4.1 F1.2 Q1.5-8
/Power Supply/polarity_checked: C3.1 C5.1 C6.1 C7.1 C8.1 C9.1 C10.1 Q1.1-3 TP1.1 U6.2 U6.3
/Power Supply/switch: L5.1 R13.1 U6.8
/Power Supply/unfused: F1.1 J6.2 J7.2
Net-(C26-Pad1): C26.1 R11.2 Y2.3
Net-(C30-Pad1): C30.1 R13.2
Net-(C31-Pad1): C31.1 R14.2
Net-(CM1B-USB_OTG_ID): CM1.101 R22.1 R23.1 U8.2
Net-(D1-A): D1.2 L1.2 U2.3
Net-(D1-K): D1.1 R3.2 U2.1
Net-(D2-A): D2.2 R21.2 TP4.1
Net-(D6-A): D6.2 R16.1
Net-(D7-A): D7.2 R17.1
Net-(D7-K): D7.1 U7.4
Net-(J5-PadT): J5.T R1.2
Net-(J8-PadT): J8.T R2.2
Net-(J9-Shield): C50.1 J9.6
Net-(J9-VBUS): J9.1 R22.2
Net-(J10-Shield): C51.1 J10.5
Net-(J25-Pin_1): J1.R J1.RN J2.4 J25.1 L4.1
Net-(J25-Pin_2): C1.1 J1.S J2.2 J25.2
Net-(J25-Pin_3): J1.T J1.TN J2.5 J25.3 L1.1
Net-(J26-Pin_1): J3.R J3.RN J4.4 J26.1 L3.1
Net-(J26-Pin_3): J3.T J3.TN J4.5 J26.3 L2.1
Net-(J27-out_L): J19.T J27.52
Net-(J27-out_R): J20.T J27.48
Net-(J28-Pin_3): J28.3 R20.2
Net-(JP1-B): JP1.2 U3.12
Net-(JP2-B): JP2.2 U3.11
Net-(JP3-A): J19.SN JP3.1
Net-(JP4-A): J22.SN JP4.1
Net-(JP5-A): J27.47 JP5.1
Net-(JP5-B): J20.R JP5.2
Net-(JP6-A): J27.51 JP6.1
Net-(JP6-B): J19.R JP6.2
Net-(L2-Pad2): L2.2 R5.1
Net-(L3-Pad2): L3.2 R4.2
Net-(L4-Pad2): L4.2 R3.1
Net-(U1-A): R7.2 U1.1
Net-(U1-Y): R20.1 U1.4
Net-(U3-GPIO10): R21.1 U3.13
Net-(U3-RUN): SW4.2 U3.26
Net-(U3-USB_DM): R10.2 U3.46
Net-(U3-USB_DP): R6.2 U3.47
Net-(U6-BST): C30.2 U6.1
Net-(U6-COMP): C34.1 R14.1 U6.6
Net-(U6-FB): C29.2 R12.2 R15.1 U6.5
Net-(U6-SS): C35.1 U6.4
Net-(U9-HS_IND/CFG_SEL1): R28.1 U9.25
Net-(U9-RBIAS): R24.1 U9.35
Net-(U9-SCL/SMBCLK/CFG_SEL0): R25.1 U9.24
Net-(U9-SDA/SMBDATA/NON_REM1): R26.1 U9.22
Net-(U9-SUSP_IND/LOCAL_PWR/NON_REM0): R27.1 U9.28
Net-(U9-XTALIN/CLKIN): C11.1 U9.33 Y1.1
Net-(U9-XTALOUT): C25.1 U9.32 Y1.2
Net-(U10-EN): U9.12 U10.3
Net-(U10-ILIM): R29.2 U10.5

Pads without a net: CM1 3 4 5 6 9 10 11 12 15 16 17 18 19 20 57 61 62 63 64 67 68 69 70 72 73 75 76 80 82 88 89 90 91 92 93 94 96 97 99 102 104 106 109 110 111 112 115 116 117 118 121 122 123 124 127 128 129 130 133 134 135 136 139 140 141 142 143 145 146 147 148 149 151 152 153 154 157 158 159 160 163 164 165 166 169 170 171 172 175 176 177 178 181 182 183 184 187 188 189 190 193 194 195 196 199 200; J2 1 3 PE PE1 PE2 PE@; J4 1 3 PE PE1 PE2 PE@; J5 SN TN; J7 3; J8 SN TN; J9 4; J14 MP; J18 SN; J19 RN TN; J20 RN SN TN; J28 MP; SW1 MP; SW2 MP; U2 2; U3 15 16 17 18 34 35 38 41; U9 6 7 8 9 11 14 16 18 20 34; U11 1 2 6 7 9 10

## Via types
v1: diameter 0.8, hole 0.4, Top to Bottom, 250 vias
v2: diameter 0.5, hole 0.3, Top to Bottom, 3 vias
v3: diameter 1.6, hole 0.8, Top to Bottom, 5 vias
v4: diameter 0.6, hole 0.3, Top to Bottom, 3 vias

## Routing (per net, layer and track width the routed paths; a pad name or vN(x,y) marks a point on that pad's centre or on a via; arc(x,y) is an arc through that point)
+1V1: length 23.7
  Top w0.2: 81.76,90.38 83.54,88.6 ; v4(83.8,85.44) 84.04,85.2 U3.50 87.24,85.2 87.24,87.79 90.95,87.79 91.71,87.03 91.71,86.6 92.31,86 U3.23 93.37,86 95.05,84.32 ; 85.66,87.2 84.95,87.2 C12.1 83.68,87.61 v4(83.66,87.59)
  Bottom w0.2: v4(83.66,87.59) 83.66,85.58 v4(83.8,85.44)
+3V3: length 251.4
  Top w0.2: 96.6,86.75 95.42,85.57 v1(94.79,85.57) ; R1.1 130.28,103.44 130.28,93.7 131.64,92.34 131.64,89.5 132.66,88.47 R19.1 132.66,87.19 v1(133.15,86.7) 133.15,86.14 R18.1 ; U3.42 86.8,88 ; U3.42 86.8,88.95 v3(85.92,89.83) ; U3.42 U3.43 ; U3.42 85.97,88.84 85.96,88.84 ; 86.8,88 86.8,87.29 86.81,87.28 ; 86.8,88 U3.43 ; U3.22 92.04,85.6 v4(91.95,85.51) ; U3.43 U3.44 86.79,87.6 86.81,87.58 86.81,87.28 ; U3.43 85.96,88.84 ; 77.8,81.2 77.8,80.73 ; 86.81,87.28 86.81,85.98 ; 85.67,80.64 85.67,80.78 86.8,81.9 U3.1 86.8,82.52 87.09,82.81 90.08,82.81 90.4,82.49 U3.10 90.4,80.82 90.68,80.54 90.64,80.5 ; v1(29.4,92.7) 29.1,93 24.7,93 R2.1 ; 85.96,88.84 85.96,89.79 v3(85.92,89.83) ; U3.33 90.4,89.37 90.12,89.65 v1(90.12,89.87) 89.6,90.39 89.6,91.95 ; 86.81,85.98 85.98,85.98 U3.48 U3.49 86.79,85.6 86.79,85.96 86.81,85.98 ; J14.3 131.33,79.03 131.8,79.5 131.8,81.5 130.84,82.46 129.49,82.46 128.29,83.66 128.29,84.22 127.85,84.65 127.85,86.46 U12.4 C52.1 ; v3(85.92,89.83) 85.15,90.6
  Top w0.3: 76.03,75.34 C15.1 76.94,78.05 76.94,79.87 77.8,80.73
  Top w0.4: v2(82.8,80.44) 80.99,80.44 79.59,81.84 U4.8 ; v1(90.66,79.82) 90.66,79.17 C20.1 90.64,80.5 ; v1(85.67,79.8) 85.67,80.64
  Top w0.5: 77.8,81.2 78.64,81.2 U4.8 ; 77.89,93 79.2,91.69 v1(79.2,90.95) 79.2,90.43 77.98,89.21 76.72,89.21 R4.1
  Top w1: 85.14,92.59 85.14,90.61 85.15,90.6 ; 104.57,76.95 104.82,77.2 104.82,81.6 ; 104.57,76.95 108.52,76.95 ; 104.57,76.95 102.22,76.95
  Bottom w0.2: v1(79.2,90.95) 78.9,91.25 56.17,91.25 52.92,94.5 46.93,94.5 45.23,92.8 29.5,92.8 v1(29.4,92.7)
  Bottom w0.25: 85.83,89.83 v3(85.92,89.83)
  Bottom w0.4: v1(94.79,85.57) 92.01,85.57 v4(91.95,85.51) ; v2(82.8,80.44) 82.83,80.44 83.47,79.8 v1(85.67,79.8) 85.7,79.78 90.62,79.78 v1(90.66,79.82)
  Bottom w0.5: 96.05,83.95 94.7,82.6 94.7,81.1 93.42,79.82 91.47,79.82 ; 85.83,89.83 84.56,91.1 79.35,91.1 v1(79.2,90.95) ; 91.32,79.82 v1(90.66,79.82)
  Bottom w1: v1(133.15,86.7) 124.61,78.16 101.84,78.16 94.79,85.21 ; v3(85.92,89.83) 90.29,89.83 94.54,85.57
  vias: v1(125.66,79.17) v1(126.2,79.71) v3(103.17,78.08)
+5VP: length 188.8
  Top w0.5: U1.5 123.64,87.21 123.64,83.72 123.27,83.34 123.27,78.92 122.55,78.2
  Top w1: 53.47,75.88 53.21,76.13 53.21,78.06 ; 137.79,75.39 135.91,77.27 R12.1 137.77,82.96 C29.1 ; 145.39,75.39 145.4,75.4 145.4,77.28 L5.2 148.29,77.4 148.29,75.41 148.31,75.39 ; 108.52,79.25 111.22,79.25 112.27,78.2 ; 53.21,78.06 54.02,78.06 ; 53.21,78.06 C38.1 ; 146.96,75.39 146.89,75.46 146.89,78.78 ; C27.1 108.18,79.39 U5.3 ; 112.27,78.2 J28.2 122.55,78.2 ; 112.27,78.2 v3(112.27,72.14)
  Top w2: 137.79,75.39 151.49,75.39
  Bottom w1: J27.2 J27.4
  Bottom w3: 53.47,75.11 70.04,58.54 95.34,58.54 97.6,60.8 97.6,69.1 99.96,71.46 134.27,71.46 138.18,75.36 138.18,75.39 ; 98.9,70.4 97.7,69.2 97.7,60.85
  vias: v1(52.88,76.23) v1(53.67,76.23) v1(71.91,57.3) v1(72.69,57.3) v1(73.48,57.28) v1(74.27,57.28) v1(137.31,76.05) v1(137.9,75.54) v1(138.46,75.01) v1(139.06,75.52)
/Audio/GND_in_L: length 4
  Top w0.25: 139.45,52.3 137.33,52.3 J27.44
  vias: v1(160.8,37.2)
/Audio/GND_in_R: length 5.3
  Top w0.2: 134.29,56.03 135.32,55 137.17,55 J27.43
/Audio/GND_out: length 17.7
  Top w0.25: v1(93.1,5.5) 92.13,5.5 90.83,6.8 83.3,6.8 82.1,5.6 v1(76.4,5.6)
  vias: v1(40,7.1) v1(126.5,5.6) v1(132.4,5.5)
/Connectivity/VBUS: length 68.9
  Top w0.9: 53.21,81.05 54.01,80.26
  Top w1: 32.2,102.13 J10.1 ; 32.2,102.13 35.71,105.64 40.94,105.64 40.94,105.59 53.19,93.35 v3(53.19,90.48) ; 32.2,102.13 29.21,105.12 C41.1 ; J10.1 35.08,99.22 36.35,97.95 C40.1 C39.1 ; J10.1 35.73,99.25 ; C41.1 C42.1 ; C41.1 21.53,105.09 C43.1 ; v3(53.21,85.57) 53.21,81.05
  Bottom w1: v3(53.19,90.48) 53.19,85.45
GND: length 158.4
  Top w0.2: 36.01,72.89 35.52,72.89 v1(35.14,72.51) ; R26.2 30.48,76.63 ; Y2.4 97.35,77.71 98.95,76.11 Y2.2 99.1,75 v1(99.15,74.95) 99.64,74.46 99.64,74 ; U11.8 6,74.05 5.85,73.9 5.85,73.55 5.52,73.22 J9.5 ; 40.23,74.89 40.64,75.3 v1(41.05,75.3) ; v1(127.95,88.25) 127.95,87.03 128.48,86.5 U12.2 ; 75.9,81.2 75.4,80.7 v1(74.8,80.7) ; 98.79,85.49 v1(98.7,85.4) C23.2 ; C27.2 106.27,81.54 v1(106.27,80.3) ; C48.2 29.01,90.14 v1(29.02,90.15) ; v1(121.7,86.4) 121.25,86.85 U1.3 U1.2 ; 83.24,90.51 C17.2 82.88,92.1 C21.2 ; v1(74.8,77.1) 74.8,76.94 ; v1(74.8,77.1) 74.9,77.1 75,77 ; v1(74.8,77.1) 74.85,77.15 C15.2 ; U11.3 7.85,74.05 v1(8.95,72.95) ; 142.16,87.97 U6.9 ; v1(45.92,86.36) 45.96,86.32 C11.2 ; v1(106,83.5) 106.01,83.51 SW4.1 ; v1(76.1,90.15) 76.41,90.46 U2.4 ; C19.2 85.3,77.3 v1(85.3,76.4) ; v1(124.5,84.6) 124.9,85 C52.2 ; v1(90.58,76.55) 90.55,76.57 90.55,77.25 ; v1(116.4,76.2) J28.1 ; J28.1 v1(123.2,76.2) ; J28.1 v1(119.8,75.2) ; v1(29,81.35) 29.01,81.36 C49.2 ; C46.2 32.57,69.73 v1(32.55,69.71) ; C12.2 80.62,88.47 v1(80.6,88.45) 80.11,88.94 v1(80.11,90.25) 80.11,91.14 81.26,92.28 ; SW3.1 73.51,76.59 v1(73.5,76.6) ; C43.2 13.69,101.96 v1(13.67,101.93) ; v1(23.57,108.26) 23.52,108.21 C42.2 ; v1(94.2,78.4) 94.25,78.45 C22.2 ; J14.4 130.36,81.03 v1(131.09,80.3) ; v1(92.43,91.55) 91.7,91.55 C13.2 ; v1(50.7,77.09) 50.69,77.1 C38.2 ; C41.2 21.56,108.16 v1(21.62,108.21) ; R27.2 43.61,82.15 v1(43.67,82.09) ; C47.2 36.56,78.61 v1(36.1,79.07) ; v1(55.12,76.76) 55.09,76.79 U10.2 ; v1(84.08,89.78) 83.97,89.78 C14.2 ; v1(45.98,79.43) 45.96,79.45 C25.2 ; v1(59.78,97.15) 59.8,97.17 C1.2 ; v1(44.01,86.98) 43.7,87.29 R24.2 42.69,87.01 C45.2 41.19,86.43 v1(41.45,86.17) ; v1(32.36,76.53) 32.38,76.55 R25.2 ; C16.2 95.75,81.8 v1(96.18,81.8) ; C24.2 102.9,81.54 v1(102.9,80.35) ; R28.2 34.29,77.4 v1(34.29,76.53) ; C26.2 v1(99.4,84.4) ; 102.9,81.47 102.86,81.51 ; v1(132,73.6) 132.01,73.59 C33.2 133.67,75.36 v1(133.71,75.4) ; 106.6,74.1 107.15,74.65 U5.1 109.05,74.65 109.4,74.3 ; U3.19 90.95,84.4 U3.57 ; 142.16,84.33 C34.2
  Top w0.25: 81.63,52.75 81.63,53.15 ; 81.63,52.75 81.63,52.49 ; 81.63,52.75 v1(81.63,51.8)
  Top w0.5: C51.2 40,97 SW1.C ; C44.2 31.97,91.7 v1(30.7,91.7)
  Top w0.6: 142.16,87.97 U6.7 142.16,84.33
  Bottom w0.2: 92.09,91.89 92.09,91.89 92.13,91.89
  Bottom w0.25: 100.75,104 77,104 73.4,107.6 70.6,107.6 67.02,104.02 61.49,104.02 61.18,104.33 ; 100.75,104 100.75,100.25 J4.2 ; 100.75,104 102,105.25 J3.S
  Bottom w0.4: U3.57 U3.57 ; U3.57 U3.57 ; U3.57 U3.57 ; U3.57 U3.57 ; U3.57 U3.57 ; U3.57 U3.57
  vias: v1(6.6,61.5) v1(6.6,9.5) v1(17.5,61.6) v1(19,7.9) v1(30.48,76.53) v1(32.8,86.4) v1(32.8,85.05) v1(32.8,83.65) v1(34.15,86.4) v1(34.19,85.05) v1(34.2,83.65) v1(35.6,86.4) v1(35.6,85) v1(35.6,83.65) v1(37.55,91.75) v1(37.5,56) v1(37.5,53) v1(37.5,50.5) v1(37.5,48) v1(37.5,45.5) v1(37.5,43) v1(37.5,40.5) v1(37.5,38) v1(37.5,35.5) v1(68.6,50.7) v1(71.5,49.5) v1(71.5,43.4) v1(71.5,37.5) v1(71.5,35) v1(81.6,61.5) v1(81.6,9.8) v1(83.46,76.09) v1(92.3,10) v1(92.5,61.5) v1(106.8,74.3) v1(109.3,74.3) v1(125.27,81.08) v1(130.2,81.76) v1(135.5,95.5) v1(135.5,94) v1(135.5,92.5) v1(135.5,91) v1(135.5,89.5) v1(135.5,88) v1(135.5,86.5) v1(136.3,107) v1(136.34,103.3) v1(137,95.5) v1(137,94) v1(137.5,108) v1(137.5,99) v1(137.48,78.74) v1(138.2,105.1) v1(139,99) v1(139.5,108) v1(139.6,78.75) v1(141.5,108) v1(141.64,78.71) v1(143.5,108) v1(143.5,84) v1(143.52,78.71) v1(143.6,81.7) v1(146,99) v1(146,95.5) v1(146,93.5) v1(147.5,95.5) v1(147.5,93.5) v1(147.5,91.5) v1(147.5,89.5) v1(147.5,87.5) v1(147.5,85.5) v1(148.13,107.9) v1(149,100.5) v1(149,99) v1(149,95.5) v1(149,93.5) v1(149,91.5) v1(149,89.5) v1(149,87.5) v1(149,85.5) v1(150.5,100.5) v1(151,81) v1(151.1,79.2) v1(156.6,61.5) v1(156.7,9.5) v1(167.4,61.5) v1(167.4,9.5)
